# KiCad board data-center-rdimm-ddr5-tester.kicad_pcb (continued)
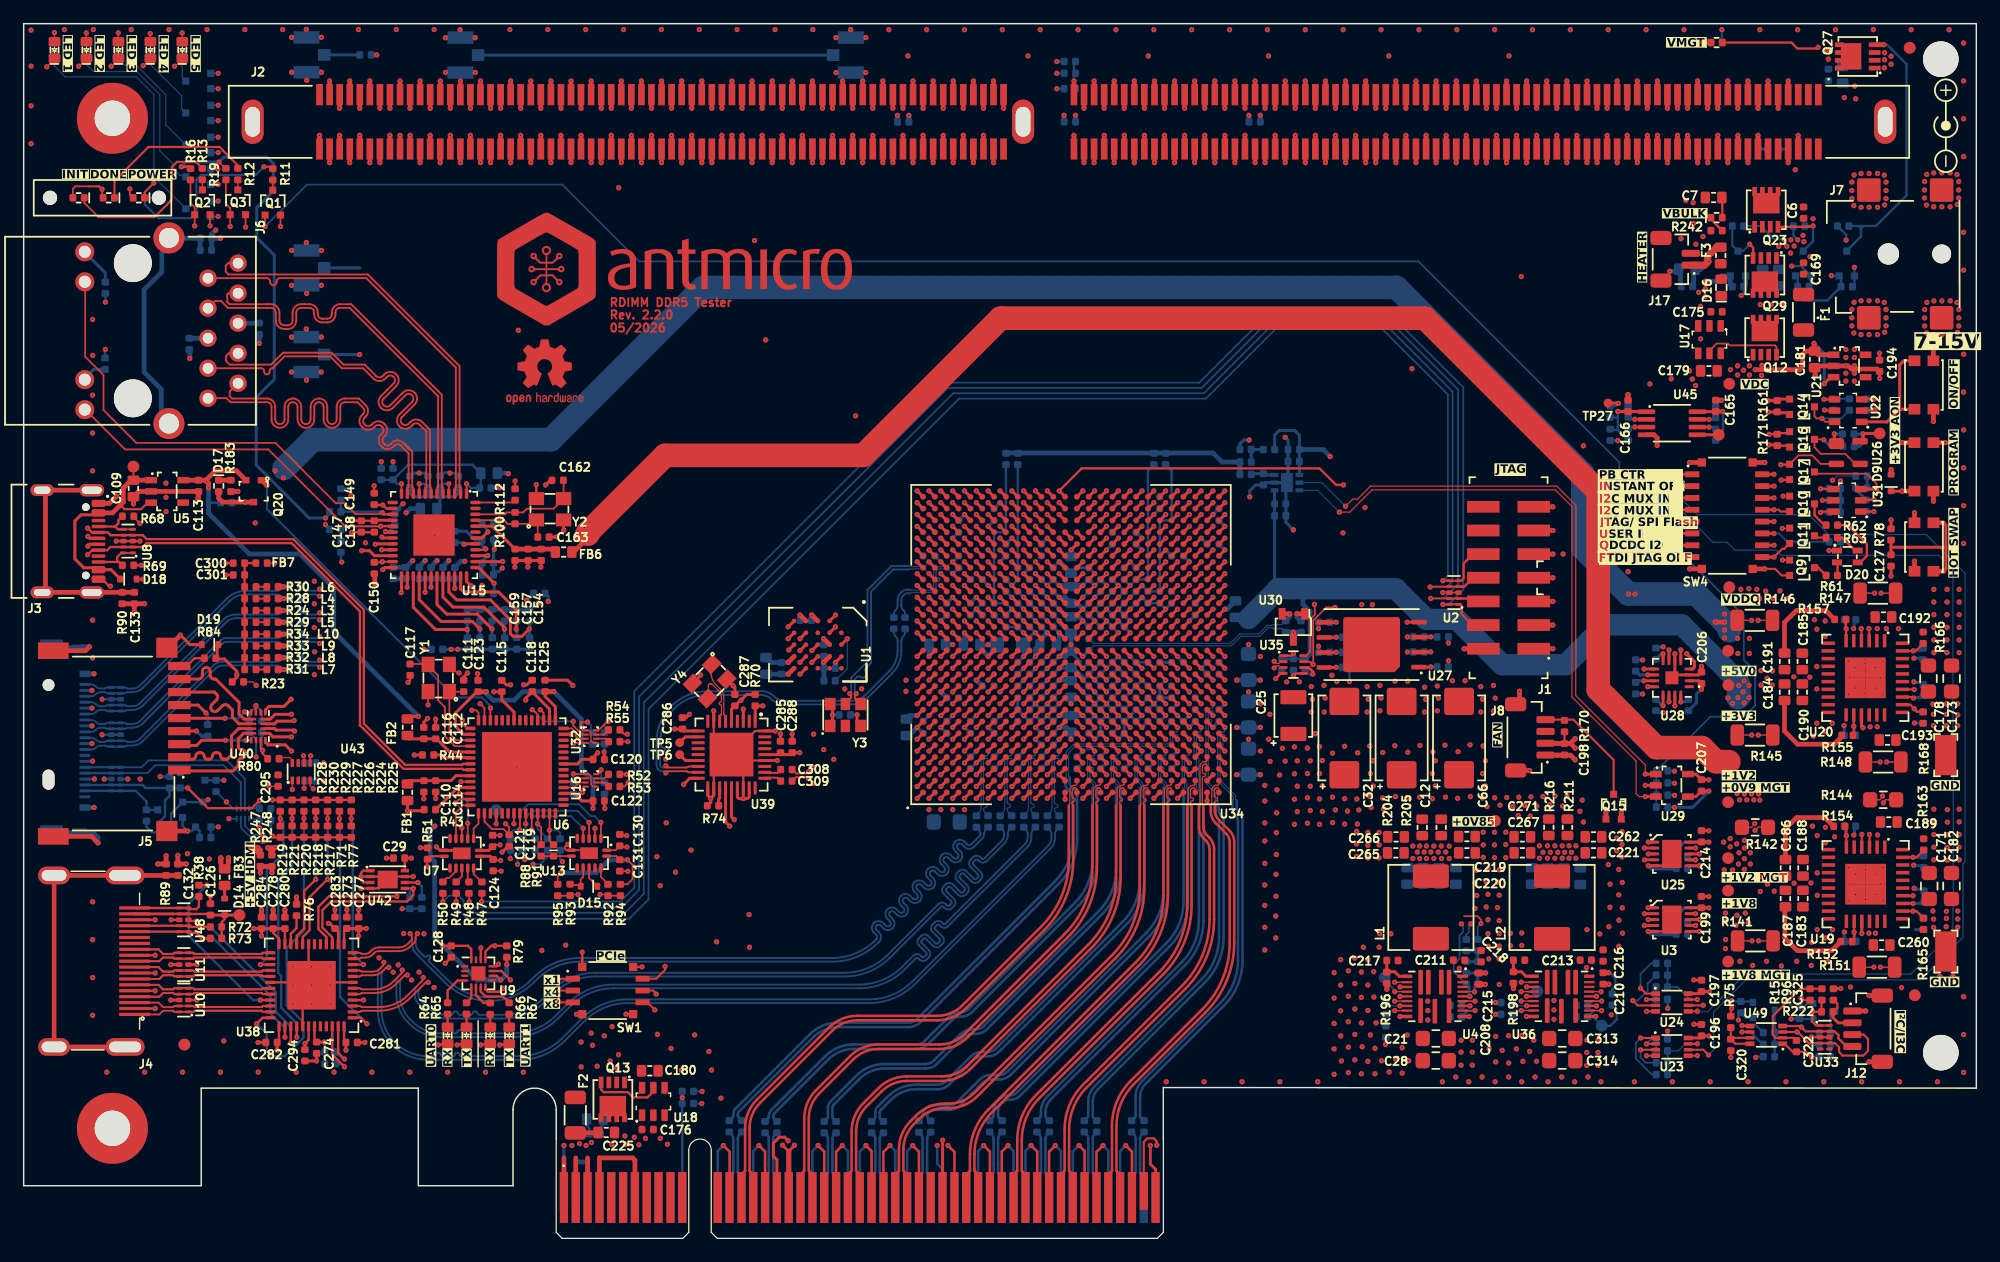
[diagram p0: board, top side]
## Routing (per net, layer and track width the routed paths; a pad name or vN(x,y) marks a point on that pad's centre or on a via; arc(x,y) is an arc through that point) (continued)
VDDQ: length 27.2
  Top w0.1: 155.18,54.55 R147.2
  Top w0.114: NT15.2 155.18,54.55
  Top w0.256: U34.AA21 v1(96.5,58.2) ; U34.AD22 v1(99.5,59.2) ; U34.U23 v1(92.5,60.2) ; U34.J22 v1(83.5,59.2) ; U34.Y24 v1(95.5,61.2) ; U34.AB18 v1(97.5,55.2) ; U34.H25 v1(82.5,62.2) ; U34.P22 v1(88.5,58.2) ; U34.E24 v1(79.5,61.2)
  Top w0.4: v1(19.8,33.02) v1(19.22,33.02) 19.38,33.02 R247.2 20,32.82 v1(19.8,33.02)
  Bottom w0.256: v1(82.5,62.2) 82,61.7 C24.2 ; v1(79.5,61.2) 79,60.7 C71.2 ; v1(95.5,61.2) 96,61.7 C74.2 ; C37.2 99.5,59.2 v1(99.5,59.2) ; C78.2 83,58.7 v1(83.5,59.2) ; C20.2 U34.AB18 v1(97.5,55.2) ; R253.2 105.71,67.91 106.1,68.3 107.4,68.3 107.8,67.9 C331.2 C330.2 U12.1 ; v1(96.5,58.2) 96.5,58.2 C60.2 ; v1(92.5,60.2) U34.U23 C49.2
  Bottom w0.4: C10.2 73.84,94.94 v1(73.84,94.95) ; v1(110.4,66.1) 109.8,66.7 C331.2 ; v1(103.53,94.95) 103.54,94.94 C8.2 ; v1(87.91,94.95) 87.92,94.94 C9.2 ; C44.1 v1(88.5,58.2)
  vias: v1(145.1,54.88) v1(145.78,54.92) v1(146.45,54.88) v1(146.68,54.1) v1(147.2,54.72) v1(147.82,54.1) v1(148.4,54.75) v1(149.12,54.12)
VDDSPD: length 7.7
  Top w0.256: U45.1 137.12,69.9 C166.1 134.72,69.9 v1(134.7,69.92)
  Bottom w0.198: 135.58,70.38 135.12,69.92 v1(134.7,69.92) 134.7,69.4 ; 134.05,69.41 134.69,69.41 134.7,69.4 ; 134.06,68.42 134.13,68.35 134.7,68.35 ; 134.7,69.4 134.7,68.35 ; 134.7,68.35 135.59,67.46
VIN_BULK_EN: length 73.8
  Top w0.256: v1(99.5,52.2) U34.AD15
  In6.Cu w0.1: v1(113.34,61.79) 134.72,83.17 146.73,83.17 148.5,81.4 148.6,81.4 v1(149.4,82.2) ; v1(99.5,52.2) 99.5,51.98 100,51.48 100,51.17 100.71,50.46 102.52,50.46 104.16,52.1 108.33,52.1 108.66,52.43 110.42,52.43 111.59,53.59 v1(113.07,53.59)
  In9.Cu w0.1: v1(113.07,53.59) 113.07,61.52 v1(113.34,61.79)
  Bottom w0.198: v1(149.4,82.2) 150.2,82.2 Q25.1 151.03,80.64 R240.2
VIN_MGMT_EN: length 82.1
  Top w0.256: U34.AD14 v1(99.5,51.2)
  In6.Cu w0.1: v1(113.97,53.58) 113.38,52.99 112.44,52.99 111.17,51.72 110.3,51.72 109.99,52.02 108.81,52.02 108.56,51.77 104.54,51.77 102.93,50.16 100.54,50.16 v1(99.5,51.2) ; v1(111.48,59.64) 113.43,59.64 136.02,82.23 146.62,82.23 148.42,80.43 153.03,80.43 v1(154.7,82.1)
  In9.Cu w0.1: v1(111.48,59.64) 112.33,58.79 112.33,53.14 112.61,52.86 113.56,52.86 113.97,53.27 v1(113.97,53.58)
  Bottom w0.198: R245.2 154.7,80.64 Q26.1 v1(154.7,82.1)
/DDR5 RDIMM/A.CA0: length 63.1
  Top w0.256: U34.W23 v1(94.5,60.2)
  Top w0.38: J2.66 v1(96.4,95.55)
  In9.Cu w0.1: v1(96.4,95.55) 96.8,95.15 96.8,85.5 arc(96.69,85.23) 96.43,85.12 95.82,85.12 arc(95.56,85.02) 95.45,84.75 arc(95.56,84.48) 95.82,84.37 96.43,84.37 arc(96.69,84.27) 96.8,84 96.8,83.85 arc(96.72,83.66) 96.53,83.57 94.68,83.57 arc(94.48,83.49) 94.4,83.3 arc(94.48,83.11) 94.68,83.02 96.53,83.02 arc(96.72,82.94) 96.8,82.75 96.8,82.4 101.05,78.15 101.05,77.05 arc(101.16,76.78) 101.43,76.67 101.69,76.67 arc(101.95,76.57) 102.06,76.3 arc(101.95,76.03) 101.69,75.92 101.43,75.92 arc(101.16,75.82) 101.05,75.55 arc(101.16,75.28) 101.43,75.17 101.69,75.17 arc(101.95,75.07) 102.06,74.8 arc(101.95,74.53) 101.69,74.42 101.43,74.42 arc(101.16,74.32) 101.05,74.05 arc(101.16,73.78) 101.43,73.67 101.69,73.67 arc(101.95,73.57) 102.06,73.3 arc(101.95,73.03) 101.69,72.92 101.43,72.92 arc(101.16,72.82) 101.05,72.55 arc(101.16,72.28) 101.43,72.17 101.69,72.17 arc(101.95,72.07) 102.06,71.8 arc(101.95,71.53) 101.69,71.42 101.43,71.42 arc(101.16,71.32) 101.05,71.05 arc(101.16,70.78) 101.43,70.67 101.69,70.67 arc(101.95,70.57) 102.06,70.3 arc(101.95,70.03) 101.69,69.92 101.43,69.92 arc(101.16,69.82) 101.05,69.55 arc(101.16,69.28) 101.43,69.17 101.69,69.17 arc(101.95,69.07) 102.06,68.8 arc(101.95,68.53) 101.69,68.42 101.43,68.42 arc(101.16,68.32) 101.05,68.05 arc(101.16,67.78) 101.43,67.67 101.69,67.67 arc(101.95,67.57) 102.06,67.3 arc(101.95,67.03) 101.69,66.92 101.43,66.92 arc(101.16,66.82) 101.05,66.55 arc(101.16,66.28) 101.43,66.17 101.69,66.17 arc(101.95,66.07) 102.06,65.8 arc(101.95,65.53) 101.69,65.42 101.43,65.42 arc(101.16,65.32) 101.05,65.05 101.05,64.75 100.03,63.73 100.03,61.95 99.79,61.71 99.31,61.71 99,61.4 99,60.93 98.75,60.68 98.24,60.68 98.01,60.45 98.01,60.03 97.69,59.71 96.29,59.71 96,60 96,60.4 95.75,60.65 95.25,60.65 94.8,60.2 v1(94.5,60.2)
/DDR5 RDIMM/A.CA1: length 63
  Top w0.256: U34.V23 v1(93.5,60.2)
  Top w0.38: 95.55,92.1 v1(95.55,90.95)
  In9.Cu w0.1: v1(93.5,60.2) 94,59.7 94.69,59.7 95,59.39 95,58.01 95.29,57.72 95.7,57.72 96.01,57.41 96.01,57.02 96.35,56.68 97.67,56.68 98.01,57.02 98.01,57.45 98.22,57.66 98.68,57.66 99,57.98 99,58.34 99.36,58.7 99.71,58.7 100.01,59 100.01,59.45 100.24,59.68 100.71,59.68 101.01,59.98 101.01,60.39 101.34,60.72 101.96,60.72 102.93,61.69 102.93,62.81 105.08,64.96 105.08,83.97 98.32,90.73 98.32,91.43 99,92.11 99,95.44 98.38,96.06 96.12,96.06 95.82,95.76 95.82,91.22 v1(95.55,90.95)
/DDR5 RDIMM/A.CA2: length 61.2
  Top w0.256: U34.AA24 v1(96.5,61.2)
  Top w0.38: J2.68 v1(94.7,95.55)
  In9.Cu w0.1: v1(96.5,61.2) 97,61.7 97.8,61.7 98,61.9 98,64.3 98.75,65.05 98.75,65.97 arc(98.85,66.2) 99.07,66.3 99.4,66.3 arc(99.63,66.4) 99.73,66.62 arc(99.63,66.85) 99.4,66.95 99.07,66.95 arc(98.85,67.05) 98.75,67.27 arc(98.85,67.5) 99.07,67.6 99.4,67.6 arc(99.63,67.7) 99.73,67.92 arc(99.63,68.15) 99.4,68.25 99.07,68.25 arc(98.85,68.35) 98.75,68.57 arc(98.85,68.8) 99.07,68.9 99.4,68.9 arc(99.63,69) 99.73,69.22 arc(99.63,69.45) 99.4,69.55 99.07,69.55 arc(98.85,69.65) 98.75,69.88 arc(98.85,70.1) 99.07,70.2 99.4,70.2 arc(99.63,70.3) 99.73,70.52 arc(99.63,70.75) 99.4,70.85 99.07,70.85 arc(98.85,70.95) 98.75,71.17 arc(98.85,71.4) 99.07,71.5 99.4,71.5 arc(99.63,71.6) 99.73,71.82 arc(99.63,72.05) 99.4,72.15 99.07,72.15 arc(98.85,72.25) 98.75,72.47 arc(98.85,72.7) 99.07,72.8 99.4,72.8 arc(99.63,72.9) 99.73,73.12 arc(99.63,73.35) 99.4,73.45 99.07,73.45 arc(98.85,73.55) 98.75,73.77 arc(98.85,74) 99.07,74.1 99.4,74.1 arc(99.63,74.2) 99.73,74.42 arc(99.63,74.65) 99.4,74.75 99.07,74.75 arc(98.85,74.85) 98.75,75.07 arc(98.85,75.3) 99.07,75.4 99.4,75.4 arc(99.63,75.5) 99.73,75.72 arc(99.63,75.95) 99.4,76.05 99.07,76.05 arc(98.85,76.15) 98.75,76.37 arc(98.85,76.6) 99.07,76.7 99.4,76.7 arc(99.63,76.8) 99.73,77.02 arc(99.63,77.25) 99.4,77.35 99.07,77.35 arc(98.85,77.45) 98.75,77.67 98.75,78.3 95.35,81.7 93.85,81.7 93.45,82.1 93.45,84.65 93.65,84.85 94.1,84.85 94.45,85.2 94.45,86.6 arc(94.35,86.83) 94.12,86.92 arc(93.9,87.02) 93.8,87.25 93.8,87.35 arc(93.9,87.58) 94.12,87.67 arc(94.35,87.77) 94.45,88 94.45,91.9 93.65,92.7 93.65,93.65 arc(93.76,93.92) 94.03,94.02 94.38,94.02 arc(94.64,94.13) 94.75,94.4 arc(94.64,94.67) 94.38,94.77 94.03,94.77 arc(93.76,94.88) 93.65,95.15 93.65,95.68 arc(93.71,95.83) 93.86,95.89 arc(94.01,95.95) 94.07,96.1 94.07,96.33 arc(94.01,96.48) 93.86,96.54 arc(93.71,96.6) 93.65,96.75 93.65,97 93.85,97.2 94.5,97.2 94.7,97 v1(94.7,95.55)
/DDR5 RDIMM/A.CA3: length 61.1
  Top w0.256: U34.AA25 v1(96.5,62.2)
  Top w0.38: 93.85,92.1 v1(93.85,90.95)
  In9.Cu w0.1: v1(96.5,62.2) 96.55,62.2 97,62.65 97,64.6 98.15,65.75 98.15,77.8 94.85,81.1 93.05,81.1 arc(92.87,81.17) 92.8,81.35 92.8,82.7 arc(92.73,82.88) 92.55,82.95 arc(92.37,82.88) 92.3,82.7 92.3,81.35 arc(92.23,81.17) 92.05,81.1 91.84,81.1 91.6,81.34 91.6,82.5 91.05,83.05 91.05,84.1 90.95,84.2 arc(90.88,84.38) 90.95,84.55 90.99,84.59 arc(91.06,84.77) 90.99,84.94 arc(90.81,85.02) 90.63,84.94 90.6,84.91 arc(90.42,84.83) 90.24,84.91 90.2,84.95 90.2,85.15 arc(90.3,85.38) 90.53,85.47 91.3,85.47 arc(91.51,85.39) 91.6,85.17 91.6,83.52 arc(91.69,83.31) 91.9,83.22 arc(92.11,83.31) 92.2,83.52 92.2,83.65 arc(92.25,83.77) 92.38,83.82 92.73,83.82 arc(92.86,83.88) 92.91,84 arc(92.86,84.12) 92.73,84.17 92.38,84.17 arc(92.25,84.23) 92.2,84.35 arc(92.25,84.47) 92.38,84.52 92.73,84.52 arc(92.86,84.58) 92.91,84.7 arc(92.86,84.82) 92.73,84.87 92.38,84.87 arc(92.25,84.93) 92.2,85.05 92.2,85.17 arc(92.29,85.39) 92.5,85.47 93.68,85.47 arc(93.9,85.57) 94,85.8 arc(93.9,86.03) 93.68,86.12 93.55,86.12 arc(93.41,86.18) 93.35,86.32 93.35,86.61 arc(93.29,86.75) 93.15,86.81 arc(93.01,86.75) 92.95,86.61 92.95,86.32 arc(92.89,86.18) 92.75,86.12 90.53,86.12 arc(90.3,86.22) 90.2,86.45 90.2,86.65 90.45,86.9 91.2,86.9 91.39,87.09 arc(91.59,87.17) 91.78,87.09 92.1,86.77 arc(92.29,86.69) 92.49,86.77 arc(92.57,86.97) 92.49,87.16 92.17,87.48 arc(92.09,87.67) 92.17,87.87 arc(92.36,87.95) 92.56,87.87 92.88,87.55 arc(93.07,87.47) 93.27,87.55 arc(93.35,87.75) 93.27,87.94 92.95,88.26 arc(92.87,88.45) 92.95,88.65 arc(93.14,88.73) 93.34,88.65 93.65,88.33 arc(93.85,88.25) 94.04,88.33 arc(94.12,88.52) 94.04,88.72 93.72,89.04 arc(93.64,89.23) 93.72,89.42 93.85,89.55 v1(93.85,90.95)
/DDR5 RDIMM/A.CA4: length 62.5
  Top w0.256: U34.Y25 v1(95.5,62.2)
  Top w0.38: J2.70 v1(93,95.55)
  In9.Cu w0.1: v1(95.5,62.2) 96,62.7 96,64.7 96.62,65.32 96.62,65.65 arc(96.71,65.84) 96.9,65.92 97.28,65.92 arc(97.47,66.01) 97.55,66.2 arc(97.47,66.39) 97.28,66.47 96.9,66.47 arc(96.71,66.56) 96.62,66.75 arc(96.71,66.94) 96.9,67.02 97.28,67.02 arc(97.47,67.11) 97.55,67.3 arc(97.47,67.49) 97.28,67.57 96.9,67.57 arc(96.71,67.66) 96.62,67.85 arc(96.71,68.04) 96.9,68.12 97.28,68.12 arc(97.47,68.21) 97.55,68.4 arc(97.47,68.59) 97.28,68.67 96.9,68.67 arc(96.71,68.76) 96.62,68.95 arc(96.71,69.14) 96.9,69.22 97.28,69.22 arc(97.47,69.31) 97.55,69.5 arc(97.47,69.69) 97.28,69.77 96.9,69.77 arc(96.71,69.86) 96.62,70.05 arc(96.71,70.24) 96.9,70.32 97.28,70.32 arc(97.47,70.41) 97.55,70.6 arc(97.47,70.79) 97.28,70.88 96.9,70.88 arc(96.71,70.96) 96.62,71.15 arc(96.71,71.34) 96.9,71.42 97.28,71.42 arc(97.47,71.51) 97.55,71.7 arc(97.47,71.89) 97.28,71.97 96.9,71.97 arc(96.71,72.06) 96.62,72.25 arc(96.71,72.44) 96.9,72.52 97.28,72.52 arc(97.47,72.61) 97.55,72.8 arc(97.47,72.99) 97.28,73.07 96.9,73.07 arc(96.71,73.16) 96.62,73.35 arc(96.71,73.54) 96.9,73.62 97.28,73.62 arc(97.47,73.71) 97.55,73.9 arc(97.47,74.09) 97.28,74.17 96.9,74.17 arc(96.71,74.26) 96.62,74.45 arc(96.71,74.64) 96.9,74.72 97.28,74.72 arc(97.47,74.81) 97.55,75 arc(97.47,75.19) 97.28,75.27 96.9,75.27 arc(96.71,75.36) 96.62,75.55 arc(96.71,75.74) 96.9,75.82 97.28,75.82 arc(97.47,75.91) 97.55,76.1 arc(97.47,76.29) 97.28,76.37 96.9,76.37 arc(96.71,76.46) 96.62,76.65 96.62,76.92 97,77.3 97,77.95 94.5,80.45 91.55,80.45 91.05,80.95 91.05,82.1 90.45,82.7 90.45,83.85 89.5,84.8 89.5,87.2 89.8,87.5 90.95,87.5 93,89.55 93,92.05 92.05,93 92.05,93.7 arc(92.15,93.95) 92.4,94.05 92.7,94.05 arc(92.95,94.15) 93.05,94.4 arc(92.95,94.65) 92.7,94.75 92.4,94.75 arc(92.15,94.85) 92.05,95.1 92.05,97.05 92.2,97.2 92.85,97.2 93,97.05 v1(93,95.55)
/DDR5 RDIMM/A.CA5: length 62.3
  Top w0.256: U34.Y26 v1(95.5,63.2)
  Top w0.38: J2.215 v1(92.15,90.95)
  In9.Cu w0.1: v1(95.5,63.2) 95.5,65.2 96,65.7 96,76.5 95.73,76.77 arc(95.67,76.92) 95.73,77.08 96.12,77.47 arc(96.19,77.63) 96.12,77.79 arc(95.96,77.86) 95.8,77.79 95.42,77.4 arc(95.26,77.34) 95.1,77.4 arc(95.03,77.56) 95.1,77.72 95.49,78.11 arc(95.55,78.27) 95.49,78.43 arc(95.33,78.49) 95.17,78.43 94.78,78.04 arc(94.62,77.97) 94.46,78.04 arc(94.4,78.2) 94.46,78.36 94.85,78.75 arc(94.92,78.9) 94.85,79.06 arc(94.69,79.13) 94.53,79.06 94.14,78.68 arc(93.98,78.61) 93.82,78.67 93.65,78.85 93.5,78.85 arc(93.32,78.92) 93.25,79.1 93.25,79.6 arc(93.18,79.78) 93,79.85 arc(92.82,79.78) 92.75,79.6 92.75,79.1 arc(92.68,78.92) 92.5,78.85 arc(92.32,78.92) 92.25,79.1 92.25,79.6 arc(92.18,79.78) 92,79.85 arc(91.82,79.78) 91.75,79.6 91.75,79.1 arc(91.68,78.92) 91.5,78.85 arc(91.32,78.92) 91.25,79.1 91.25,79.6 arc(91.18,79.78) 91,79.85 arc(90.82,79.78) 90.75,79.6 90.75,79.1 arc(90.68,78.92) 90.5,78.85 89.95,78.85 89.6,79.2 89.6,79.3 arc(89.65,79.42) 89.78,79.47 89.97,79.47 arc(90.09,79.53) 90.14,79.65 arc(90.09,79.77) 89.97,79.82 89.78,79.82 arc(89.65,79.88) 89.6,80 89.6,80.1 arc(89.67,80.28) 89.85,80.35 90.35,80.35 arc(90.53,80.42) 90.6,80.6 arc(90.53,80.78) 90.35,80.85 89.85,80.85 arc(89.67,80.92) 89.6,81.1 arc(89.67,81.28) 89.85,81.35 90.35,81.35 arc(90.53,81.42) 90.6,81.6 arc(90.53,81.78) 90.35,81.85 89.85,81.85 arc(89.67,81.92) 89.6,82.1 89.6,82.3 89.49,82.41 arc(89.42,82.59) 89.49,82.76 89.84,83.12 arc(89.92,83.29) 89.84,83.47 arc(89.67,83.54) 89.49,83.47 89.14,83.12 arc(88.96,83.04) 88.78,83.12 arc(88.71,83.29) 88.78,83.47 89.14,83.83 89.14,83.82 arc(89.21,84) 89.14,84.18 arc(88.96,84.25) 88.78,84.18 88.43,83.82 88.43,83.83 arc(88.25,83.75) 88.07,83.82 87.9,84 87.9,84.6 arc(87.97,84.76) 88.12,84.82 88.68,84.82 arc(88.83,84.89) 88.9,85.05 arc(88.83,85.21) 88.68,85.27 88.12,85.27 arc(87.97,85.34) 87.9,85.5 arc(87.97,85.66) 88.12,85.72 88.68,85.72 arc(88.83,85.79) 88.9,85.95 arc(88.83,86.11) 88.68,86.17 88.12,86.17 arc(87.97,86.24) 87.9,86.4 arc(87.97,86.56) 88.12,86.62 88.68,86.62 arc(88.83,86.69) 88.9,86.85 arc(88.83,87.01) 88.68,87.07 88.12,87.07 arc(87.97,87.14) 87.9,87.3 87.9,87.45 88.1,87.65 arc(88.31,87.74) 88.52,87.65 arc(88.74,87.56) 88.95,87.65 arc(89.04,87.86) 88.95,88.07 arc(88.86,88.29) 88.95,88.5 89.05,88.6 89.3,88.6 arc(89.44,88.54) 89.5,88.4 89.5,88.15 arc(89.56,88.01) 89.7,87.95 arc(89.84,88.01) 89.9,88.15 89.9,88.4 arc(89.96,88.54) 90.1,88.6 arc(90.24,88.54) 90.3,88.4 90.3,88.15 arc(90.36,88.01) 90.5,87.95 arc(90.64,88.01) 90.7,88.15 90.7,88.4 arc(90.76,88.54) 90.9,88.6 91.05,88.6 92.15,89.7 v1(92.15,90.95)
/DDR5 RDIMM/A.CA6: length 64.3
  Top w0.256: U34.V24 v1(93.5,61.2)
  Top w0.38: J2.72 v1(91.3,95.55)
  In9.Cu w0.1: v1(93.5,61.2) 94.02,60.68 94.82,60.68 95.11,60.97 95.11,65.81 95.4,66.1 95.4,76 93.12,78.27 89.45,78.27 89,78.72 89,81.9 87.25,83.65 87.25,87.9 88.57,89.22 88.68,89.22 arc(88.85,89.3) 88.93,89.47 88.93,89.62 arc(89,89.8) 89.18,89.87 arc(89.35,89.8) 89.43,89.62 89.43,89.47 arc(89.5,89.3) 89.68,89.22 arc(89.85,89.3) 89.93,89.47 89.93,89.62 arc(90,89.8) 90.18,89.87 arc(90.35,89.8) 90.43,89.62 90.43,89.47 arc(90.5,89.3) 90.68,89.22 90.85,89.22 90.97,89.35 arc(91.03,89.47) 90.97,89.6 arc(90.92,89.72) 90.98,89.84 91.05,89.92 arc(91.17,89.97) 91.29,89.92 arc(91.42,89.86) 91.54,89.92 91.67,90.04 91.67,92.03 91.6,92.1 arc(91.54,92.24) 91.6,92.39 91.61,92.39 arc(91.67,92.54) 91.61,92.68 arc(91.47,92.74) 91.33,92.68 91.32,92.67 arc(91.18,92.61) 91.04,92.67 90.35,93.35 90.35,93.8 arc(90.45,94.03) 90.68,94.12 91.28,94.12 arc(91.5,94.22) 91.6,94.45 arc(91.5,94.68) 91.28,94.77 90.68,94.77 arc(90.45,94.87) 90.35,95.1 90.35,95.72 90.07,96 88.07,96 87.9,96.17 87.9,97.02 88.07,97.2 88.3,97.2 arc(88.46,97.13) 88.53,96.97 88.53,96.67 arc(88.59,96.52) 88.75,96.45 arc(88.91,96.52) 88.97,96.67 88.97,96.97 arc(89.04,97.13) 89.2,97.2 arc(89.36,97.13) 89.43,96.97 89.43,96.67 arc(89.49,96.52) 89.65,96.45 arc(89.81,96.52) 89.88,96.67 89.88,96.97 arc(89.94,97.13) 90.1,97.2 arc(90.26,97.13) 90.32,96.97 90.32,96.67 arc(90.39,96.52) 90.55,96.45 arc(90.71,96.52) 90.78,96.67 90.78,96.97 arc(90.84,97.13) 91,97.2 91.15,97.2 91.3,97.05 v1(91.3,95.55)
/DDR5 RDIMM/A.CB0: length 65.7
  Top w0.256: U34.U22 v1(92.5,59.2)
  Top w0.38: J2.51 v1(109.15,95.55)
  In4.Cu w0.148: 110.32,94.37 110.32,93.1 111.2,92.22 111.2,92.1
  In4.Cu w0.15: v1(92.5,59.2) 93,59.7 93,68.6 100.23,75.83 101.24,75.83 101.61,76.2 arc(101.72,76.47) 101.61,76.73 100.99,77.35 arc(100.88,77.62) 100.99,77.88 arc(101.25,77.99) 101.52,77.88 102.14,77.26 arc(102.41,77.15) 102.67,77.26 arc(102.78,77.53) 102.67,77.79 102.05,78.41 arc(101.94,78.68) 102.05,78.94 arc(102.31,79.05) 102.58,78.94 103.2,78.32 arc(103.47,78.21) 103.73,78.32 arc(103.84,78.59) 103.73,78.85 103.11,79.48 arc(103,79.74) 103.11,80.01 arc(103.37,80.12) 103.64,80.01 104.26,79.38 arc(104.53,79.27) 104.79,79.38 arc(104.9,79.65) 104.79,79.91 104.17,80.54 arc(104.06,80.8) 104.17,81.07 arc(104.43,81.18) 104.7,81.07 105.32,80.44 arc(105.59,80.33) 105.85,80.44 arc(105.96,80.71) 105.85,80.97 105.23,81.6 arc(105.12,81.86) 105.23,82.13 arc(105.49,82.24) 105.76,82.13 106.38,81.5 arc(106.65,81.39) 106.91,81.5 arc(107.02,81.77) 106.91,82.03 106.29,82.66 arc(106.18,82.92) 106.29,83.19 arc(106.56,83.3) 106.82,83.19 107.44,82.56 arc(107.71,82.45) 107.97,82.56 arc(108.08,82.83) 107.97,83.09 107.35,83.72 arc(107.24,83.98) 107.35,84.25 arc(107.62,84.36) 107.88,84.25 108.5,83.62 arc(108.77,83.51) 109.03,83.62 111.2,85.79 111.2,92.1 ; v1(109.15,95.55) 109.15,95.55 110.32,94.37
/DDR5 RDIMM/A.CB1: length 65.6
  Top w0.256: U34.U21 v1(92.5,58.2)
  Top w0.38: J2.53 v1(107.45,95.55)
  In4.Cu w0.148: 109.76,93.56 109.76,92.79 110.5,92.05
  In4.Cu w0.15: 110.5,92.05 110.5,86.7 108.94,85.14 106.73,85.14 99.54,77.95 99.54,76.6 99.25,76.31 arc(98.98,76.2) 98.72,76.31 98.09,76.94 arc(97.83,77.05) 97.56,76.94 arc(97.45,76.67) 97.56,76.41 98.19,75.78 arc(98.3,75.51) 98.19,75.25 arc(97.92,75.14) 97.66,75.25 97.03,75.88 arc(96.77,75.99) 96.5,75.88 arc(96.39,75.61) 96.5,75.35 97.13,74.72 arc(97.24,74.45) 97.13,74.19 arc(96.86,74.08) 96.6,74.19 95.97,74.82 arc(95.71,74.93) 95.44,74.82 arc(95.33,74.55) 95.44,74.29 96.07,73.66 arc(96.18,73.39) 96.07,73.13 arc(95.8,73.02) 95.54,73.13 94.91,73.76 arc(94.64,73.87) 94.38,73.76 arc(94.27,73.49) 94.38,73.23 95.01,72.6 arc(95.12,72.33) 95.01,72.07 arc(94.74,71.96) 94.48,72.07 93.85,72.69 arc(93.58,72.8) 93.32,72.69 arc(93.21,72.43) 93.32,72.16 93.95,71.54 arc(94.06,71.27) 93.95,71.01 arc(93.68,70.9) 93.42,71.01 92.79,71.63 arc(92.52,71.74) 92.26,71.63 arc(92.15,71.37) 92.26,71.1 92.89,70.48 arc(93,70.21) 92.89,69.95 92,69.06 92,58.7 v1(92.5,58.2) ; v1(107.45,95.55) 107.78,95.55 109.76,93.56
/DDR5 RDIMM/A.CB2: length 63.7
  Top w0.256: U34.T20 v1(91.5,57.2)
  Top w0.38: J2.196 v1(108.3,90.95)
  In4.Cu w0.148: 89,60.5 90,59.5 90,58.95 90.24,58.71 90.77,58.71 90.95,58.53 90.95,58.05 91.5,57.5 v1(91.5,57.2)
  In4.Cu w0.15: 89,60.5 89,63.65 89.25,63.9 89.25,75.12 90.08,75.95 arc(90.19,76.22) 90.08,76.48 89.55,77.02 arc(89.44,77.28) 89.55,77.55 arc(89.82,77.66) 90.08,77.55 90.61,77.01 arc(90.88,76.91) 91.15,77.01 91.26,77.13 arc(91.38,77.43) 91.26,77.73 90.21,78.78 arc(90.08,79.08) 90.21,79.38 arc(90.51,79.51) 90.81,79.38 91.86,78.33 arc(92.16,78.21) 92.46,78.33 arc(92.59,78.63) 92.46,78.93 91.41,79.99 arc(91.28,80.29) 91.41,80.59 arc(91.71,80.71) 92.01,80.59 93.06,79.53 arc(93.36,79.41) 93.66,79.53 arc(93.79,79.83) 93.66,80.13 92.61,81.19 arc(92.48,81.49) 92.61,81.79 arc(92.91,81.91) 93.21,81.79 93.32,81.68 arc(93.55,81.58) 93.78,81.68 94.08,81.98 arc(94.31,82.08) 94.54,81.98 arc(94.64,81.75) 94.54,81.52 94.24,81.22 arc(94.14,80.99) 94.24,80.76 94.26,80.73 arc(94.56,80.61) 94.87,80.73 95.17,81.04 96.15,81.04 102.74,87.63 106.8,87.63 107.86,88.69 107.86,90.57 108.24,90.95 v1(108.3,90.95)
/DDR5 RDIMM/A.CB3: length 63.6
  Top w0.256: U34.U20 v1(92.5,57.2)
  Top w0.38: J2.198 v1(106.6,90.95)
  In4.Cu w0.148: v1(92.5,57.2) 92.2,57.2 91.7,56.7 91.3,56.7 91,57 91,57.4 90.7,57.7 90.25,57.7 90,57.95 90,58.4 89.65,58.75 89.25,58.75 89,59 89,59.1
  In4.Cu w0.15: v1(106.6,90.95) 107.01,90.54 107.01,89.42 105.95,88.36 101.65,88.36 99.97,86.68 arc(99.67,86.55) 99.37,86.68 99.11,86.93 arc(98.81,87.06) 98.51,86.93 arc(98.38,86.63) 98.51,86.33 98.76,86.08 arc(98.89,85.77) 98.76,85.47 arc(98.46,85.35) 98.16,85.47 97.91,85.73 arc(97.61,85.85) 97.31,85.73 arc(97.18,85.43) 97.31,85.13 97.56,84.87 arc(97.69,84.57) 97.56,84.27 arc(97.26,84.15) 96.96,84.27 96.71,84.53 arc(96.41,84.65) 96.1,84.53 arc(95.98,84.23) 96.1,83.93 96.36,83.67 arc(96.48,83.37) 96.36,83.07 96,82.71 95.52,82.71 arc(95.22,82.83) 95.09,83.13 95.09,84.28 arc(94.97,84.59) 94.67,84.71 arc(94.37,84.59) 94.25,84.28 94.25,83.13 arc(94.12,82.83) 93.82,82.71 arc(93.52,82.83) 93.4,83.13 93.4,84.28 arc(93.27,84.59) 92.97,84.71 arc(92.67,84.59) 92.54,84.28 92.54,83.13 arc(92.42,82.83) 92.12,82.71 91.83,82.71 88.5,79.38 88.5,59.95 89,59.45 89,59.1
/DDR5 RDIMM/A.CB4: length 65.7
  Top w0.256: U34.T23 v1(91.5,60.2)
  Top w0.38: J2.58 v1(103.2,95.55)
  In4.Cu w0.148: 103.2,91.45 102.57,92.08 102.57,94.92 v1(103.2,95.55)
  In4.Cu w0.15: 103.2,91.45 103.2,90.1 103.6,89.7 105,89.7 105.5,90.2 105.5,92.2 106.1,92.8 108.9,92.8 109.5,92.2 109.5,90.39 109.74,90.15 109.74,87.44 108.37,86.07 105.97,86.07 98.28,78.38 97.59,78.38 97.35,78.15 arc(97.05,78.03) 96.75,78.15 96.62,78.29 arc(96.32,78.42) 96.02,78.29 arc(95.89,77.99) 96.02,77.69 96.15,77.55 arc(96.28,77.25) 96.15,76.95 arc(95.85,76.83) 95.55,76.95 95.42,77.09 arc(95.12,77.21) 94.81,77.09 arc(94.69,76.79) 94.81,76.49 94.95,76.35 arc(95.08,76.05) 94.95,75.75 arc(94.65,75.63) 94.35,75.75 94.21,75.89 arc(93.91,76.01) 93.61,75.89 arc(93.49,75.59) 93.61,75.29 93.75,75.15 arc(93.87,74.85) 93.75,74.55 arc(93.45,74.42) 93.15,74.55 93.01,74.68 arc(92.71,74.81) 92.41,74.68 arc(92.29,74.38) 92.41,74.08 92.55,73.95 arc(92.67,73.65) 92.55,73.35 arc(92.25,73.22) 91.95,73.35 91.81,73.48 arc(91.51,73.61) 91.21,73.48 arc(91.08,73.18) 91.21,72.88 91.34,72.75 arc(91.47,72.45) 91.34,72.14 91,71.8 91,60.7 v1(91.5,60.2)
/DDR5 RDIMM/A.CB5: length 63.5
  Top w0.256: U34.W20 v1(94.5,57.2)
  Top w0.38: J2.60 v1(101.5,95.55)
  In4.Cu w0.148: 88,59.4 88,59.05 88.35,58.7 88.7,58.7 89,58.4 89,57.9 89.2,57.7 89.56,57.7 89.95,57.31 89.95,56.85 90.15,56.65 90.7,56.65 90.95,56.4 90.95,55.92 91.18,55.7 91.8,55.7 ; v1(101.5,95.55) 100.95,95 100.95,92.45 101.6,91.8 101.6,90.01 100.1,88.51 98.37,88.51 95.88,86.02 95.66,86.02 arc(95.39,86.13) 95.28,86.39 95.28,87.33 arc(95.18,87.6) 94.91,87.71 arc(94.64,87.6) 94.53,87.33 94.53,86.39 arc(94.43,86.13) 94.16,86.02 arc(93.89,86.13) 93.78,86.39 93.78,87.33 arc(93.68,87.6) 93.41,87.71 arc(93.14,87.6) 93.03,87.33 93.03,86.39 arc(92.93,86.13) 92.66,86.02 92.51,86.02 87.75,81.26 87.75,71.45
  In4.Cu w0.15: 88,59.4 88,63.65 87.75,63.9 87.75,71.45 ; v1(94.5,57.2) 94,57.7 93.2,57.7 93,57.5 93,57.07 92.63,56.7 92.2,56.7 92,56.5 92,55.9 91.8,55.7
/DDR5 RDIMM/A.CB6: length 65.7
  Top w0.256: U34.T22 v1(91.5,59.2)
  Top w0.38: 102.35,92.1 v1(102.35,90.95)
  In4.Cu w0.15: v1(102.35,90.95) 102.35,89.53 102.89,88.99 105.29,88.99 106,89.7 106,91.7 106.5,92.2 108.5,92.2 108.9,91.8 108.9,88.36 107.38,86.84 104.67,86.84 104.13,86.3 arc(103.9,86.21) 103.68,86.3 103.48,86.5 arc(103.25,86.59) 103.02,86.5 arc(102.93,86.27) 103.02,86.04 103.22,85.85 arc(103.31,85.62) 103.22,85.39 arc(102.99,85.29) 102.76,85.39 102.56,85.58 arc(102.33,85.67) 102.1,85.58 arc(102.01,85.35) 102.1,85.12 102.3,84.93 arc(102.39,84.7) 102.3,84.47 arc(102.07,84.37) 101.84,84.47 101.64,84.66 arc(101.41,84.75) 101.18,84.66 arc(101.09,84.43) 101.18,84.2 101.38,84.01 arc(101.47,83.78) 101.38,83.55 arc(101.15,83.45) 100.92,83.55 100.72,83.74 arc(100.49,83.84) 100.26,83.74 arc(100.17,83.51) 100.26,83.28 100.46,83.09 arc(100.55,82.86) 100.46,82.63 arc(100.23,82.53) 100,82.63 99.8,82.82 arc(99.57,82.92) 99.35,82.82 arc(99.25,82.59) 99.35,82.36 99.54,82.17 arc(99.63,81.94) 99.54,81.71 arc(99.31,81.61) 99.08,81.71 98.89,81.9 arc(98.66,82) 98.43,81.9 arc(98.33,81.67) 98.43,81.44 98.62,81.25 arc(98.71,81.02) 98.62,80.79 arc(98.39,80.69) 98.16,80.79 97.97,80.98 arc(97.74,81.08) 97.51,80.98 arc(97.41,80.75) 97.51,80.52 97.7,80.33 arc(97.8,80.1) 97.7,79.87 97.29,79.46 95.65,79.46 90,73.81 90,60.1 90.4,59.7 91,59.7 v1(91.5,59.2)
/DDR5 RDIMM/A.CB7: length 61.7
  Top w0.256: U34.W19 v1(94.5,56.2)
  Top w0.38: J2.205 v1(100.65,90.95)
  In4.Cu w0.148: v1(100.65,90.95) 100.65,90.17 100.1,89.62 91.67,89.62 90.85,88.8 arc(90.67,88.36) 90.85,87.92 91.42,87.35 arc(91.61,86.91) 91.42,86.47 arc(90.98,86.28) 90.54,86.47 89.97,87.04 arc(89.53,87.22) 89.09,87.04 arc(88.9,86.6) 89.09,86.15 89.66,85.58 arc(89.84,85.14) 89.66,84.7 arc(89.21,84.52) 88.77,84.7 88.2,85.27 arc(87.76,85.45) 87.32,85.27 87,84.95 87,59.14 87.33,58.8 87.65,58.8 88,58.45 88,57.95 88.9,57.05 88.9,56 89.25,55.65 90.61,55.65 90.95,55.31 90.95,54.98 91.23,54.7 91.75,54.7 92.03,54.97 92.03,55.4 92.32,55.7 U34.W19
  In4.Cu w0.15: U34.W19 v1(94.5,56.2)
/DDR5 RDIMM/A.CS0_c: length 62.5
  Top w0.256: U34.Y22 v1(95.5,59.2)
  Top w0.38: J2.64 v1(98.1,95.55)
  In9.Cu w0.1: v1(98.1,95.55) 97.73,95.17 97.73,89.97 101.44,86.26 arc(101.53,86.03) 101.44,85.8 100.89,85.26 arc(100.79,85.03) 100.89,84.8 arc(101.12,84.7) 101.35,84.8 101.9,85.34 arc(102.13,85.44) 102.36,85.34 arc(102.45,85.11) 102.36,84.88 101.81,84.34 arc(101.71,84.11) 101.81,83.88 arc(102.04,83.78) 102.27,83.88 102.82,84.43 arc(103.05,84.52) 103.28,84.42 104,83.7 104,83.45 arc(103.86,83.11) 103.53,82.97 101.78,82.97 arc(101.44,82.84) 101.3,82.5 arc(101.44,82.16) 101.78,82.02 103.53,82.02 arc(103.86,81.89) 104,81.55 104,81.35 arc(103.91,81.14) 103.7,81.05 103.04,81.05 arc(102.83,80.96) 102.74,80.75 arc(102.83,80.54) 103.04,80.45 103.7,80.45 arc(103.91,80.36) 104,80.15 arc(103.91,79.94) 103.7,79.85 103.04,79.85 arc(102.83,79.76) 102.74,79.55 arc(102.83,79.34) 103.04,79.25 103.7,79.25 arc(103.91,79.16) 104,78.95 104,65.45 102.09,63.54 102.09,62.01 101.8,61.72 101.36,61.72 101.05,61.41 101.05,60.97 100.81,60.74 100.38,60.74 100,60.36 100,59.96 99.72,59.68 99.35,59.68 99.02,59.35 99.02,58.91 98.81,58.7 98.31,58.7 97.99,58.38 97.99,58.01 97.68,57.7 96.31,57.7 96.01,58 96.01,58.35 95.5,58.86 v1(95.5,59.2)
/DDR5 RDIMM/A.CS1_c: length 62.6
  Top w0.256: U34.Y23 v1(95.5,60.2)
  Top w0.38: J2.209 v1(97.25,90.95)
  In9.Cu w0.1: v1(97.25,90.95) 97.25,89.15 97.6,88.8 arc(97.67,88.64) 97.6,88.48 97.4,88.28 arc(97.33,88.12) 97.4,87.96 arc(97.56,87.89) 97.72,87.96 97.92,88.16 arc(98.08,88.23) 98.24,88.16 arc(98.3,88) 98.24,87.84 97.54,87.15 arc(97.48,86.99) 97.54,86.83 arc(97.7,86.76) 97.86,86.83 98.56,87.53 arc(98.72,87.59) 98.88,87.52 99,87.4 arc(99.08,87.19) 99,86.98 98.04,86.02 arc(97.95,85.81) 98.04,85.6 arc(98.25,85.51) 98.46,85.6 99.42,86.55 arc(99.63,86.64) 99.85,86.55 100.2,86.2 100.2,85.35 arc(100.08,85.07) 99.8,84.95 97.75,84.95 arc(97.47,84.83) 97.35,84.55 arc(97.47,84.27) 97.75,84.15 99.8,84.15 arc(100.08,84.03) 100.2,83.75 arc(100.08,83.47) 99.8,83.35 97.75,83.35 arc(97.47,83.23) 97.35,82.95 arc(97.47,82.67) 97.75,82.55 99.8,82.55 arc(100.08,82.43) 100.2,82.15 100.2,82 arc(100.1,81.75) 99.85,81.65 99.25,81.65 arc(99,81.55) 98.9,81.3 arc(99,81.05) 99.25,80.95 99.85,80.95 arc(100.1,80.85) 100.2,80.6 100.2,80.3 100.64,79.86 arc(100.87,79.77) 101.1,79.86 101.21,79.98 arc(101.44,80.07) 101.67,79.98 arc(101.77,79.75) 101.67,79.52 101.56,79.4 arc(101.46,79.17) 101.56,78.94 102.75,77.75 102.75,65.35 101.02,63.62 101.02,61.97 100.73,61.68 100.32,61.68 100.06,61.42 100.06,60.97 99.79,60.7 99.33,60.7 99,60.37 99,59.89 98.79,59.68 98.29,59.68 98.01,59.4 98.01,58.96 97.74,58.69 96.25,58.69 96,58.94 96,59.42 95.5,59.92 v1(95.5,60.2)